# KiCad board VFDSAO.kicad_pcb (continued)
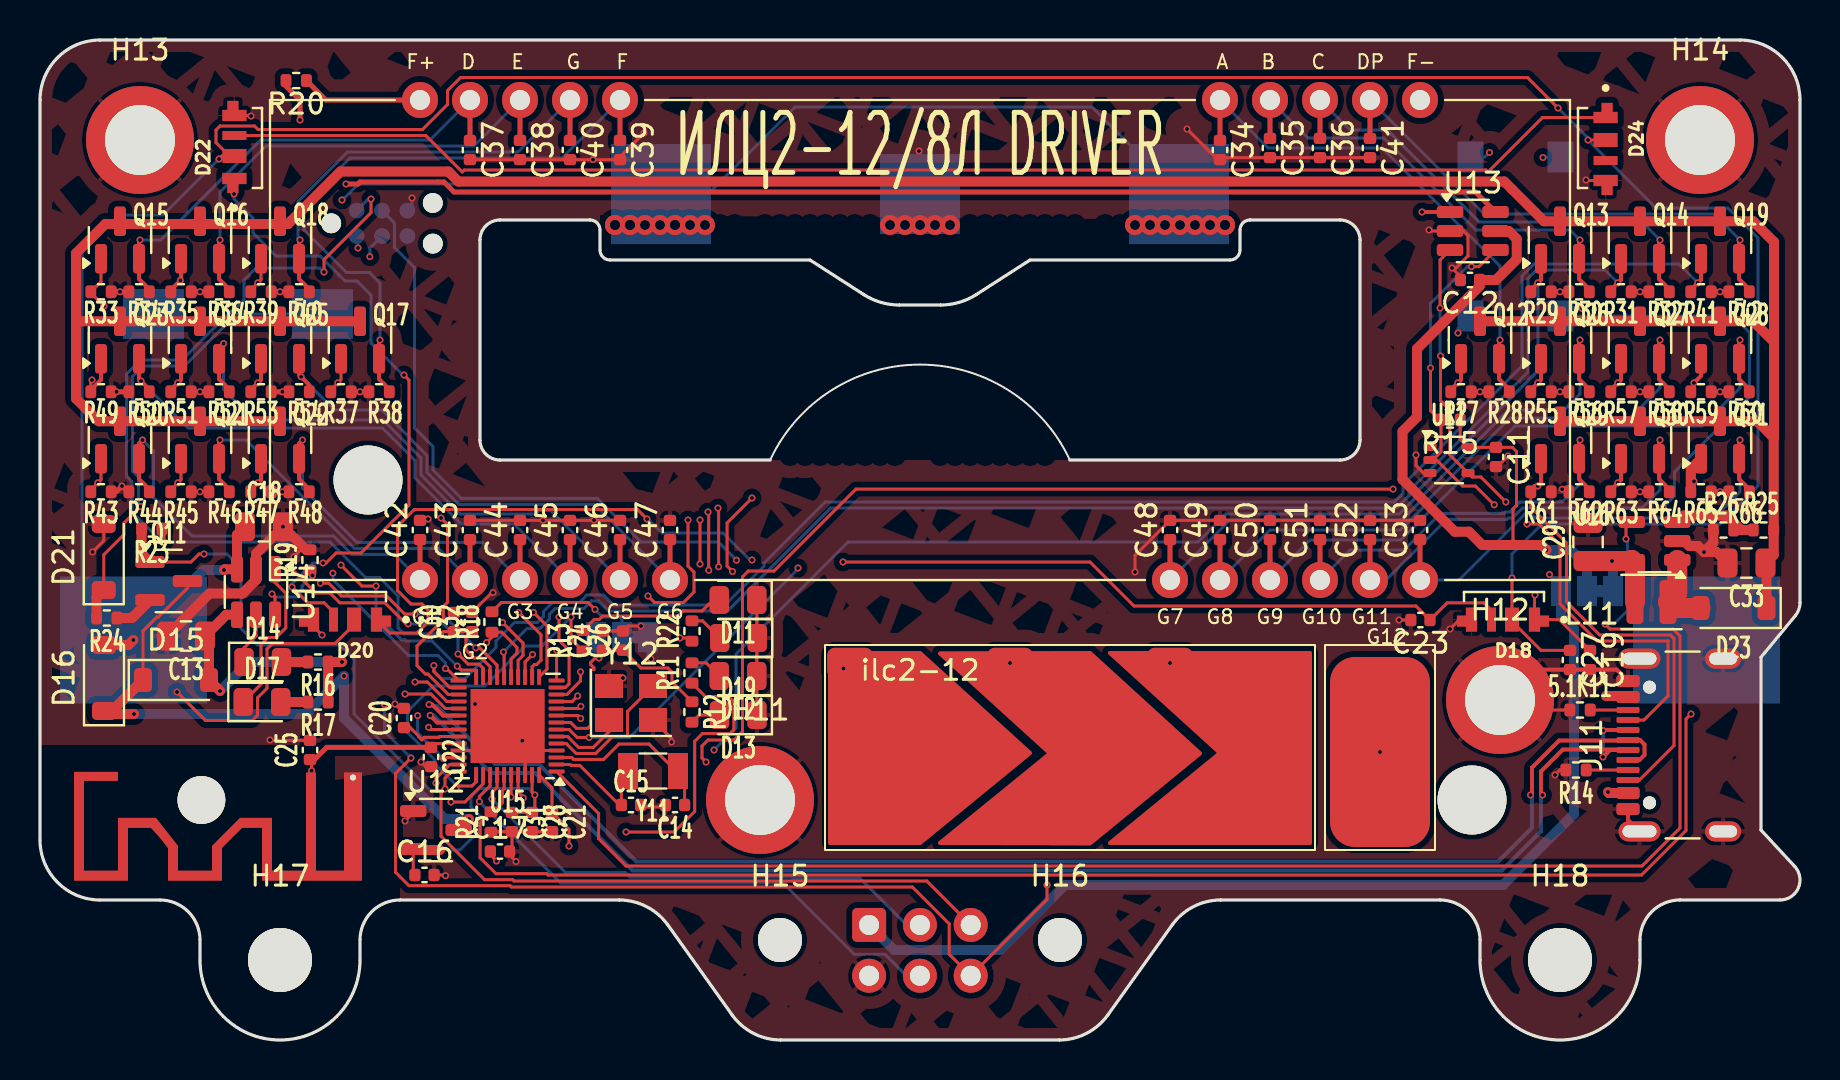
[diagram p0: board, top side]
## Routing (per net, layer and track width the routed paths; a pad name or vN(x,y) marks a point on that pad's centre or on a via; arc(x,y) is an arc through that point) (continued)
Net-(D22-DOUT): length 70.5
  Top w0.15: D24.1 75.12,46.12 72.4,43.4 72.3,43.5 21.21,43.5 21.11,43.4 19.29,45.22 D22.3
Net-(D23-A): length 4
  Top w1: U16.1 81.86,22.36 L11.2 81.7,21.6 D23.2
Net-(J11-CC1): length 2.1
  Top w0.15: J11.A5 R14.1
Net-(J11-CC2): length 1.9
  Top w0.15: J11.B5 5.1K11.2
Net-(JP12-C): length 7.9
  Top w0.15: R18.2 23.06,21.88 27.4,21.88 v2(27.75,21.53)
  Bottom w0.15: v2(27.75,21.53) 28.13,21.15 28.99,21.15 29.1,21.04 JP12.2
Net-(Q11-S): length 2
  Top w0.5: Q11.2 4.6,21.1 R24.1
Net-(U13-OUT_A): length 64.8
  Top w0.25: v2(15.3,42.8) 15.9,42.8 16,42.9 20.2,42.9 20.7,42.4 71.78,42.4 U13.6 ; v2(13,46) 13,46.99 12.3,47.69 R20.2
  In2.Cu w0.25: v2(13,46) 13,44.7 14.9,42.8 v2(15.3,42.8)
Net-(U14-PROG): length 4.1
  Top w0.15: U14.6 11.75,22.15 v2(11.6,22.3) ; v2(13.62,23.22) 13.5,23.35 R19.1
  Bottom w0.15: v2(11.6,22.3) 11.75,22.15 12.81,22.15 13.1,22.44 13.1,22.7 v2(13.62,23.22)
Net-(U15-OSC_IN): length 7.2
  Top w0.15: Y12.3 29.38,16.42 29.38,15.17 28.63,15.17 27.79,14.33 26.8,14.33 26.31,14.83 U15.5
Net-(U15-OSC_OUT): length 3.8
  Top w0.15: U15.6 26.38,15.17 26.93,14.63 27.66,14.63 28.45,15.41 Y12.1
Net-(U15-PC14/OSC32_IN): length 6
  Top w0.15: Y11.1 29.07,13.12 C15.1 ; U15.2 26.51,13.78 26.56,13.73 26.99,13.73 29.07,11.65
Net-(U15-PC15/OSC32_OUT): length 8.9
  Top w0.15: U15.3 26.59,14.12 26.68,14.03 28.18,14.03 28.95,14.8 30.45,14.8 32.23,13.02 32.23,11.65
Net-(U15-VINTA): length 3.1
  Top w0.15: C20.1 18.51,15.62 18.93,15.2 18.93,15.17 19.1,15.01 19.22,15.14 19.88,15.14 19.89,15.12 19.94,15.12 19.99,15.17 19.99,15.17 U15.33
Net-(U16-FB): length 4.6
  Top w0.5: R26.1 85.05,25.5 ; 85.05,25.5 84.33,26.22 82.18,26.22 U16.3 ; 85.05,25.5 85.66,25.5

## Copper pours and planes (outline as drawn; the poured copper is in the pictures)
GND on Top, Bottom, In1.Cu, In2.Cu: 91.89,52.32 91.89,52.42 92,-5 -3.11,-2 -2.91,56.42
GND on Top, Bottom, In1.Cu, In2.Cu: 91.9,52.6 91.9,52.7 91,-3 -3,-3 -2.9,56.7

## Text on the board
F.Silkscreen: F+ | G1 | D | G2 | G3 | E | G4 | G | G5 | F | G6 | G7 | G8 | A | G9 | B | G10 | C | G11 | DP | G12 | F- | ИЛЦ2-12/8Л DRIVER
